# KiCad board [DFR1142]Lite Carrier for LattePanda Mu(V2).kicad_pcb (continued)
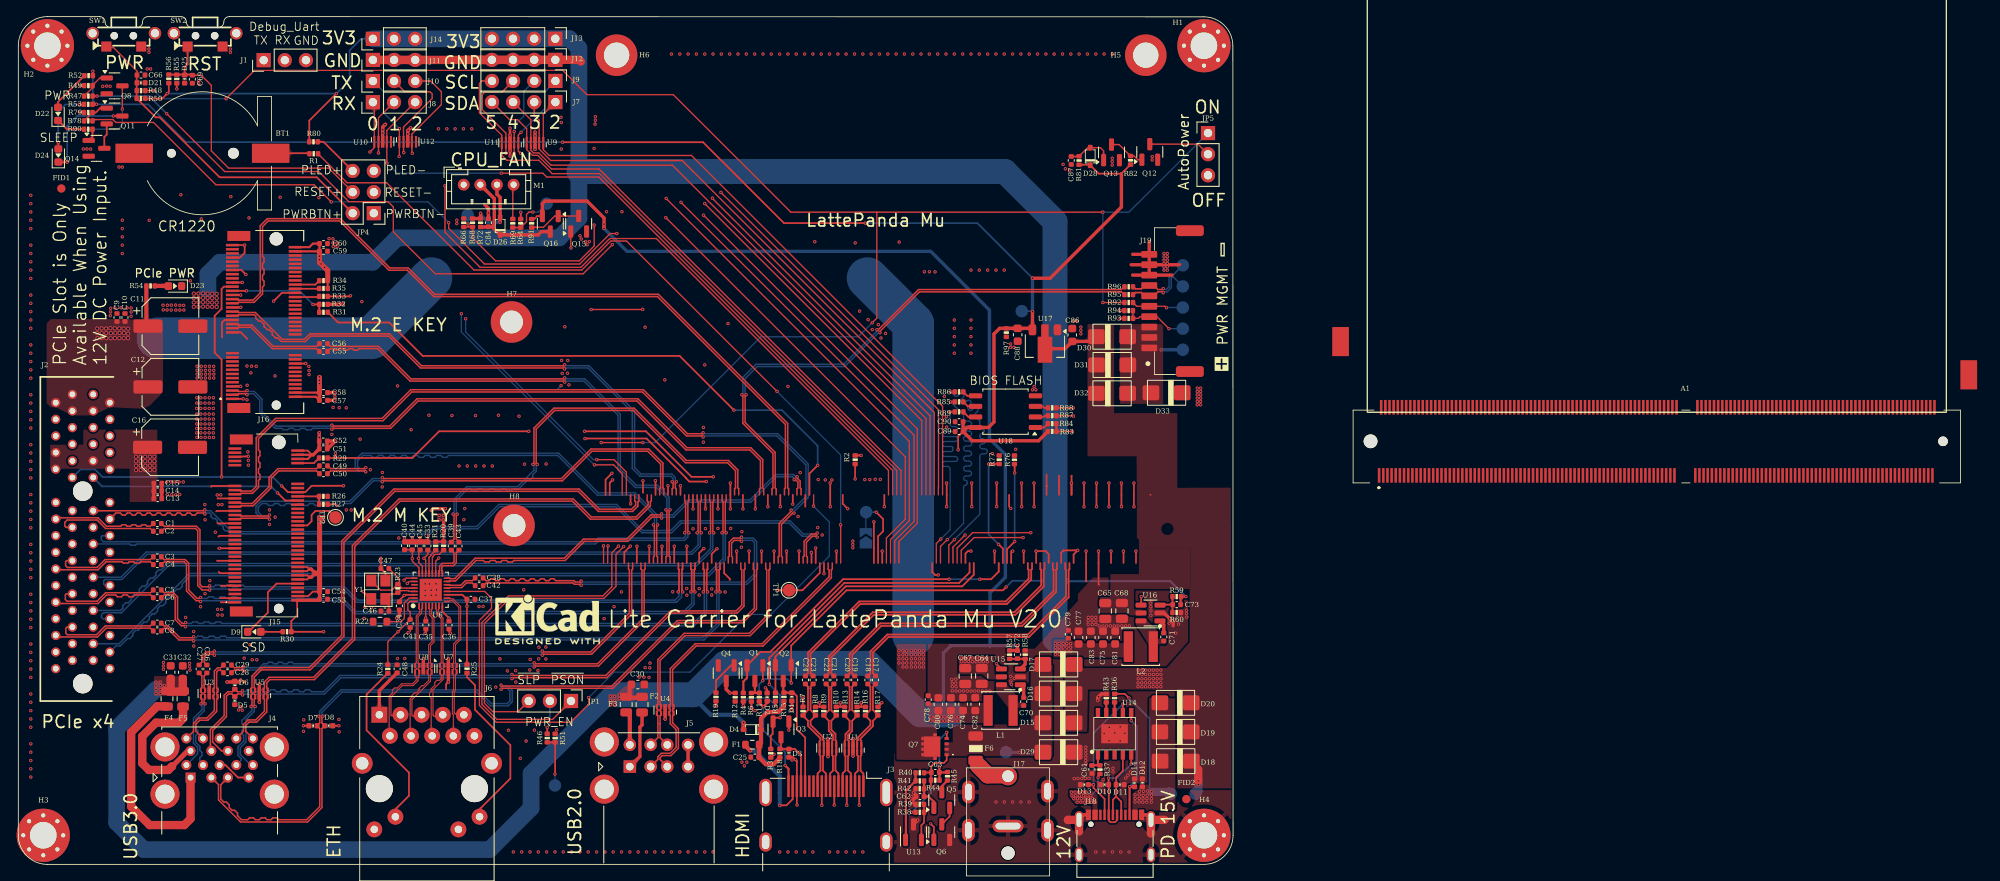
[diagram p0: board, top side]
## Library data of the parts (continued)
J1 J11 = -: DF_Comment: 2.54黑色单排排针-3P; ki_fp_filters: Connector*:*_1x??_*
J2 = -: Datasheet: http://www.ritrontek.com/uploadfile/2016/1026/20161026105231124.pdf#page=63; Buy_Link: https://item.szlcsc.com/3251630.html; DF_Comment: PCI-ex4直插母座_AAA-PCI-161-K03; ki_fp_filters: *PCIexpress*
J3 = -: Datasheet: https://en.wikipedia.org/wiki/HDMI; DF_Comment: 直插式HDMI母座-19Pin(19PIN); ki_fp_filters: HDMI*A*
J4 = -: Buy_Link: https://item.szlcsc.com/3132965.html; DF_Comment: 双层USB3.0_A母座_USB-303WSD-BRY; ki_fp_filters: USB3?A*Stacked*
J5 = -: DF_Comment: USB2.0-A型双层白胶母座; ki_fp_filters: USB*
J6 = -: Datasheet: https://datasheet.lcsc.com/szlcsc/1901091107_UDE-Corp-RB1-125B8G1A_C363353.pdf; Buy_Link: https://item.szlcsc.com/337919.html; DF_Comment: 千兆RJ45_HRK1-1A73G02-32A1BB-1R; ki_fp_filters: RJ45*UDE*RB1*125B8G1A*
J7 = -: DF_Comment: 2.54绿色单排排针-4P; ki_fp_filters: Connector*:*_1x??_*
J8 = -: DF_Comment: 2.54绿色单排排针-3P; ki_fp_filters: Connector*:*_1x??_*
J9 = -: DF_Comment: 2.54蓝色单排排针-4P; ki_fp_filters: Connector*:*_1x??_*
J10 = -: DF_Comment: 2.54蓝色单排排针-3P; ki_fp_filters: Connector*:*_1x??_*
J12 = -: DF_Comment: 2.54黑色单排排针-4P; ki_fp_filters: Connector*:*_1x??_*
J13 = -: DF_Comment: 2.54红色单排排针-4P; ki_fp_filters: Connector*:*_1x??_*
J14 = -: DF_Comment: 2.54红色单排排针-3P; ki_fp_filters: Connector*:*_1x??_*
J15 = -: Datasheet: http://read.pudn.com/downloads794/doc/project/3133918/PCIe_M.2_Electromechanical_Spec_Rev1.0_Final_11012013_RS_Clean.pdf#page=155; Buy_Link: https://item.szlcsc.com/8568582.html; DF_Comment: M.2连接器KEY-M_H4.2mm-67P_APCI0107-P001A; ki_fp_filters: *M*2*M*
J16 = -: Datasheet: http://read.pudn.com/downloads794/doc/project/3133918/PCIe_M.2_Electromechanical_Spec_Rev1.0_Final_11012013_RS_Clean.pdf#page=150; Buy_Link: https://item.szlcsc.com/8568583.html; DF_Comment: M.2连接器KEY-E_H4.2mm-67P_APCI0108-P001A; ki_fp_filters: *M*2*E*
J17 = -: Buy_Link: https://item.szlcsc.com/19360929.html; DF_Comment: DC2.5电源母座_12V/10A_XDJK-060B-055; ki_fp_filters: BarrelJack*
J18 = -: Datasheet: https://www.usb.org/sites/default/files/documents/usb_type-c.zip; DF_Comment: USB Type-C母座-U263-163N-4BS1735  5A; ki_fp_filters: USB*C*Receptacle*
J19 = -: Description: Generic connectable mounting pin connector, single row, 01x10, script generated (kicad-library-utils/schlib/autogen/connector/); Buy_Link: https://item.szlcsc.com/3561406.html; ki_fp_filters: Connector*:*_1x??-1MP*
JP1 = -: DF_Comment: 2.54黑色单排排针-3P; ki_fp_filters: Jumper* TestPoint*3Pads* TestPoint*Bridge*
JP4 = -: DF_Comment: 2.54黑色3x2P排针
JP5 = -: Description: Jumper, 3-pole, pins 1+2 closed/bridged; DF_Comment: 2.54黑色单排排针-3P; ki_fp_filters: Jumper* TestPoint*3Pads* TestPoint*Bridge*
JP6 = -: Description: Solder Jumper, 2-pole, open; ki_fp_filters: SolderJumper*Open*
L1 L2 = -: DF_Comment: WPN4020H2R2MT 2.2UH 20% 额定电流4.3A 顺络; ki_fp_filters: Choke_* *Coil* Inductor_* L_*
M1 = -: Datasheet: http://www.formfactors.org/developer%5Cspecs%5Crev1_2_public.pdf; Buy_Link: https://item.szlcsc.com/255571.html; DF_Comment: PH2.0-4A直针插座(2.0-4P直)-DL; ki_fp_filters: FanPinHeader*P2.54mm*Vertical* PinHeader*P2.54mm*Vertical* TerminalBlock*
Q1 Q5 Q6 Q8 Q11-Q15 = -: Datasheet: https://www.onsemi.com/pub/Collateral/NDS7002A-D.PDF; DF_Comment: 2N7002-N沟道MOS管-SOT-23[备选型号:JMTL2N7002K]; ki_fp_filters: SOT?23*
Q2-Q4 = -: Datasheet: https://www.onsemi.com/pub/Collateral/NDS7002A-D.PDF; Buy_Link: https://item.szlcsc.com/774253.html; DF_Comment: NMOS_2SK3018_SOT-23; ki_fp_filters: SOT?23*
Q7 = -: DF_Comment: PMOS管NCE30P28Q-DFN3.3X3.3-8L
Q16 = -: Description: P-MOSFET transistor, gate/source/drain; DF_Comment: PMOS管AO3407-SOT23-3
R1 R11 R12 R26 R31 R37 R47 R78 R90 = -: DF_Comment: 贴片电阻0402-1K-1%; ki_fp_filters: R_*
R2 R20 R21 R34-R36 R38 R40 R49 R50 R56 R58 R79 R83 R91 = -: DF_Comment: 贴片电阻0402-10K-1%; ki_fp_filters: R_*
R3 R5 R15 R18 R19 R30 R39 R52 R53 = -: DF_Comment: 贴片电阻0402-2.2K-1%; ki_fp_filters: R_*
R4 R23 R81 = -: DF_Comment: 贴片电阻0402-1M-1%; ki_fp_filters: R_*
R6 R41 R42 R54 R59 R66 R68 = -: DF_Comment: 贴片电阻0402-21.5K-1%; ki_fp_filters: R_*
R7-R10 R13 R14 R16 R17 R24 R25 R97 = -: DF_Comment: 贴片电阻0402-470R-1%; ki_fp_filters: R_*
R22 = -: DF_Comment: 贴片电阻0603-2.49K-1%(0603-1.6*0.8*0.4); ki_fp_filters: R_*
R27 R29 R32 R33 R84-R89 R95 R96 = -: DF_Comment: 贴片电阻0402-0R-1%; ki_fp_filters: R_*
R43 = -: DF_Comment: 贴片电阻0402-56K-1%(0402); ki_fp_filters: R_*
R44 R45 R51 R76 R77 R82 = -: DF_Comment: 贴片电阻0402-100K-1%; ki_fp_filters: R_*
R46 R48 R55 R69 R92-R94 = -: DF_Comment: 贴片电阻0402-100R-1%; ki_fp_filters: R_*
R57 = -: DF_Comment: 贴片电阻0402-75K-1%; ki_fp_filters: R_*
R60 R64 R72 = -: DF_Comment: 贴片电阻0402-4.7K-1%; ki_fp_filters: R_*
R80 = -: DF_Comment: 贴片电阻0402-200R-1%; ki_fp_filters: R_*
SW1 SW2 = -: DF_Comment: 侧按卧插4脚开关-TS-1012EV-26-7*3.5*3.5
TP1 TP2 = -: ki_fp_filters: Pin* Test*
TP3-TP18 = -: Description: test point; ki_fp_filters: Pin* Test*
U1 U2 = -: Datasheet: https://www.diodes.com/assets/Datasheets/D3V3XA4B10LP.pdf; Buy_Link: https://item.szlcsc.com/2973358.html; DF_Comment: ESD静电保护IC-TPAZ1023-04F-DFN2510-10L; ki_fp_filters: Diodes*UDFN*1.0x2.5mm*P0.5mm*
U3-U5 U7-U12 = -: Datasheet: https://www.diodes.com/assets/Datasheets/D3V3XA4B10LP.pdf; DF_Comment: ESD静电保护IC-BV-ULC0524P-DFN2510-10L; ki_fp_filters: Diodes*UDFN*1.0x2.5mm*P0.5mm*
U6 = -: DF_Comment: 以太网控制器IC-RTL8111H-CG-RH(PCIE-LAN)-QFN32; ki_fp_filters: RTL8111H_QFN32
U13 = -: Datasheet: http://www.ti.com/lit/ds/symlink/tl431.pdf; DF_Comment: 参考电压-TL431ACDBZR-SOT23（丝印TAC）; ki_fp_filters: SOT?23*
U14 = -: DF_Comment: USB PD等快充协议受电芯片-CH224K-ESSOP10; ki_fp_filters: ESSOP10
U15 U16 = -: Datasheet: https://atta.szlcsc.com/upload/public/pdf/source/20180625/C93736_E75EC6FD4320D65590D2D5BF0D8B8959.pdf; Buy_Link: https://item.szlcsc.com/94934.html; DF_Comment: DCDC同步降压芯片_SY8253ADC_TSOT23-6; ki_fp_filters: TSOT?23*
U17 = -: Description: 高压LDO_HM7533HBPR_SOT89; DF_Comment: 高压LDO_HM7533HBPR_SOT89
U18 = -: Datasheet: http://www.winbond.com/resource-files/w25q128jv_dtr%20revc%2003272018%20plus.pdf; Description: 128Mb Serial Flash Memory, Standard/Dual/Quad SPI, SOIC-8; DF_Comment: 存储器-W25Q128JVSIQ-SOIC-8-208-mil; ki_fp_filters: SOIC*5.23x5.23mm*P1.27mm*
Y1 = -: DF_Comment: CRY_25M-20pF-20ppm_4P_SMD3225; ki_fp_filters: Crystal*

## Footprints (pads in the part's own frame, mm; a bottom-side part is the same pattern mirrored in y, then rotated)
Battery_Holder_CR1220_S8411-45R
  round 1.05 hole 1.05 unplated: (0,3.725)
  round 1.3 hole 1.3 unplated: (0,-3.725)
  rect 2.3x4.5 smd: 1(0,-8.2) 2(0,8.2)
C_0402
  rrect 0.56x0.62 smd: 1(-0.48,0) 2(0.48,0)
C_0402_1005Metric
  rrect 0.56x0.62 smd: 1(-0.48,0) 2(0.48,0)
C_0603
  rrect 0.9x0.95 smd: 1(-0.775,0) 2(0.775,0)
C_0603_1608Metric
  rrect 0.9x0.95 smd: 1(-0.775,0) 2(0.775,0)
C_0805_2012Metric
  rrect 1x1.45 smd: 1(-0.95,0) 2(0.95,0)
CP_Elec_6.3x7.7
  rrect 3.5x1.6 smd: 1(-2.7,0) 2(2.7,0)
Crystal_SMD_3225-4Pin_3.2x2.5mm
  rect 1.4x1.2 smd: 1(-1.1,-0.85) 2(1.1,-0.85) 3(1.1,0.85) 4(-1.1,0.85)
D_0402_1005Metric
  rrect 0.59x0.64 smd: 1(-0.485,0) 2(0.485,0)
D_SMA
  rrect 2x1.8 smd: 1(-1.88,0) 2(1.88,0)
D_SOD-323
  rrect 0.7x0.55 smd: 1(-1.05,0) 2(1.05,0)
DC_Jack_DC007B_30V_10A
  round 1.6 hole 1.6 unplated: (0,-2.75)
  round 2.2 hole 1.4: 1(0,-12)
  oval 3.7x1.5 hole 3x0.8: 2(0,-6)
  oval 1.5x2.7 hole 0.8x2: 3(-4.75,-5.5) 3(-4.75,-10.2) 3(4.75,-5.5) 3(4.75,-10.1)
DDR4_SODIMM_260P_8.0H_STD
  round 1.15 hole 1.15 unplated: (-34.4,7.588)
  round 1.65 hole 1.65 unplated: (34.4,7.588)
  rect 0.3x1.75 smd: 1(33.375,11.688) 2(33.125,3.488) 3(32.875,11.688) 4(32.625,3.488) 5(32.375,11.688) 6(32.125,3.488) 7(31.875,11.688) 8(31.625,3.488) 9(31.375,11.688) 10(31.125,3.488) 11(30.875,11.688) 12(30.625,3.488) 13(30.375,11.688) 14(30.125,3.488) 15(29.875,11.688) 16(29.625,3.488) 17(29.375,11.688) 18(29.125,3.488) 19(28.875,11.688) 20(28.625,3.488) 21(28.375,11.688) 22(28.125,3.488) 23(27.875,11.688) 24(27.625,3.488) 25(27.375,11.688) 26(27.125,3.488) 27(26.875,11.688) 28(26.625,3.488) 29(26.375,11.688) 30(26.125,3.488) 31(25.875,11.688) 32(25.625,3.488) 33(25.375,11.688) 34(25.125,3.488) 35(24.875,11.688) 36(24.625,3.488) 37(24.375,11.688) 38(24.125,3.488) 39(23.875,11.688) 40(23.625,3.488) 41(23.375,11.688) 42(23.125,3.488) 43(22.875,11.688) 44(22.625,3.488) 45(22.375,11.688) 46(22.125,3.488) 47(21.875,11.688) 48(21.625,3.488) 49(21.375,11.688) 50(21.125,3.488) 51(20.875,11.688) 52(20.625,3.488) 53(20.375,11.688) 54(20.125,3.488) 55(19.875,11.688) 56(19.625,3.488) 57(19.375,11.688) 58(19.125,3.488) 59(18.875,11.688) 60(18.625,3.488) 61(18.375,11.688) 62(18.125,3.488) 63(17.875,11.688) 64(17.625,3.488) 65(17.375,11.688) 66(17.125,3.488) 67(16.875,11.688) 68(16.625,3.488) 69(16.375,11.688) 70(16.125,3.488) 71(15.875,11.688) 72(15.625,3.488) 73(15.375,11.688) 74(15.125,3.488) 75(14.875,11.688) 76(14.625,3.488) 77(14.375,11.688) 78(14.125,3.488) 79(13.875,11.688) 80(13.625,3.488) 81(13.375,11.688) 82(13.125,3.488) 83(12.875,11.688) 84(12.625,3.488) 85(12.375,11.688) 86(12.125,3.488) 87(11.875,11.688) 88(11.625,3.488) 89(11.375,11.688) 90(11.125,3.488) 91(10.875,11.688) 92(10.625,3.488) 93(10.375,11.688) 94(10.125,3.488) 95(9.875,11.688) 96(9.625,3.488) 97(9.375,11.688) 98(9.125,3.488) 99(8.875,11.688) 100(8.625,3.488) 101(8.375,11.688) 102(8.125,3.488) 103(7.875,11.688) 104(7.625,3.488) 105(7.375,11.688) 106(7.125,3.488) 107(6.875,11.688) 108(6.625,3.488) 109(6.375,11.688) 110(6.125,3.488) 111(5.875,11.688) 112(5.625,3.488) 113(5.375,11.688) 114(5.125,3.488) 115(4.875,11.688) 116(4.625,3.488) 117(4.375,11.688) 118(4.125,3.488) 119(3.875,11.688) 120(3.625,3.488) 121(3.375,11.688) 122(3.125,3.488) 123(2.875,11.688) 124(2.625,3.488) 125(2.375,11.688) 126(2.125,3.488) 127(1.875,11.688) 128(1.625,3.488) 129(1.375,11.688) 130(1.125,3.488) 131(0.875,11.688) 132(0.625,3.488) 133(0.375,11.688) 134(0.125,3.488) 135(-0.125,11.688) 136(-0.375,3.488) 137(-0.625,11.688) 138(-0.875,3.488) 139(-1.125,11.688) 140(-1.375,3.488) 141(-1.625,11.688) 142(-1.875,3.488) 143(-2.125,11.688) 144(-2.375,3.488) 145(-4.625,11.688) 146(-4.875,3.488) 147(-5.125,11.688) 148(-5.375,3.488) 149(-5.625,11.688) 150(-5.875,3.488) 151(-6.125,11.688) 152(-6.375,3.488) 153(-6.625,11.688) 154(-6.875,3.488) 155(-7.125,11.688) 156(-7.375,3.488) 157(-7.625,11.688) 158(-7.875,3.488) 159(-8.125,11.688) 160(-8.375,3.488) 161(-8.625,11.688) 162(-8.875,3.488) 163(-9.125,11.688) 164(-9.375,3.488) 165(-9.625,11.688) 166(-9.875,3.488) 167(-10.125,11.688) 168(-10.375,3.488) 169(-10.625,11.688) 170(-10.875,3.488) 171(-11.125,11.688) 172(-11.375,3.488) 173(-11.625,11.688) 174(-11.875,3.488) 175(-12.125,11.688) 176(-12.375,3.488) 177(-12.625,11.688) 178(-12.875,3.488) 179(-13.125,11.688) 180(-13.375,3.488) 181(-13.625,11.688) 182(-13.875,3.488) 183(-14.125,11.688) 184(-14.375,3.488) 185(-14.625,11.688) 186(-14.875,3.488) 187(-15.125,11.688) 188(-15.375,3.488) 189(-15.625,11.688) 190(-15.875,3.488) 191(-16.125,11.688) 192(-16.375,3.488) 193(-16.625,11.688) 194(-16.875,3.488) 195(-17.125,11.688) 196(-17.375,3.488) 197(-17.625,11.688) 198(-17.875,3.488) 199(-18.125,11.688) 200(-18.375,3.488) 201(-18.625,11.688) 202(-18.875,3.488) 203(-19.125,11.688) 204(-19.375,3.488) 205(-19.625,11.688) 206(-19.875,3.488) 207(-20.125,11.688) 208(-20.375,3.488) 209(-20.625,11.688) 210(-20.875,3.488) 211(-21.125,11.688) 212(-21.375,3.488) 213(-21.625,11.688) 214(-21.875,3.488) 215(-22.125,11.688) 216(-22.375,3.488) 217(-22.625,11.688) 218(-22.875,3.488) 219(-23.125,11.688) 220(-23.375,3.488) 221(-23.625,11.688) 222(-23.875,3.488) 223(-24.125,11.688) 224(-24.375,3.488) 225(-24.625,11.688) 226(-24.875,3.488) 227(-25.125,11.688) 228(-25.375,3.488) 229(-25.625,11.688) 230(-25.875,3.488) 231(-26.125,11.688) 232(-26.375,3.488) 233(-26.625,11.688) 234(-26.875,3.488) 235(-27.125,11.688) 236(-27.375,3.488) 237(-27.625,11.688) 238(-27.875,3.488) 239(-28.125,11.688) 240(-28.375,3.488) 241(-28.625,11.688) 242(-28.875,3.488) 243(-29.125,11.688) 244(-29.375,3.488) 245(-29.625,11.688) 246(-29.875,3.488) 247(-30.125,11.688) 248(-30.375,3.488) 249(-30.625,11.688) 250(-30.875,3.488) 251(-31.125,11.688) 252(-31.375,3.488) 253(-31.625,11.688) 254(-31.875,3.488) 255(-32.125,11.688) 256(-32.375,3.488) 257(-32.625,11.688) 258(-32.875,3.488) 259(-33.125,11.688) 260(-33.375,3.488)
  rect 2x3.5 smd: MP1(38,-4.412) MP2(-37.5,-0.412)
Diodes_UDFN-10_1.0x2.5mm_P0.5mm
  rect 0.625x0.25 smd: 1(-0.388,1) 2(-0.388,0.5) 4(-0.388,-0.5) 5(-0.388,-1) 6(0.388,-1) 7(0.388,-0.5) 9(0.388,0.5) 10(0.388,1)
  rect 0.7x0.4 smd: 3(-0.35,0)
  rect 0.575x0.4 smd: 8(0.412,0)
ESSOP-10-1EP_3.9x5mm_P1.0mm_EP3.2x2.3
  rect 2.3x3.2 smd: 0(0,0)
  rect 1.1x0.51 smd: 1(-2.55,2) 2(-2.55,1) 3(-2.55,0) 4(-2.55,-1) 5(-2.55,-2) 6(2.55,-2) 7(2.55,-1) 8(2.55,0) 9(2.55,1) 10(2.55,2)
Fiducial_1mm_Mask2mm
  round 1 smd: (0,0)
Fuse_0805_2012Metric
  rrect 0.975x1.4 smd: 1(-0.938,0) 2(0.938,0)
HDMI_A_Molex_208658-1001_Horizontal
  rect 2.6x0.3 smd: 1(-3.285,4.5) 2(-3.285,4) 3(-3.285,3.5) 4(-3.285,3) 5(-3.285,2.5) 6(-3.285,2) 7(-3.285,1.5) 8(-3.285,1) 9(-3.285,0.5) 10(-3.285,0) 11(-3.285,-0.5) 12(-3.285,-1) 13(-3.285,-1.5) 14(-3.285,-2) 15(-3.285,-2.5) 16(-3.285,-3) 17(-3.285,-3.5) 18(-3.285,-4) 19(-3.285,-4.5)
  oval 3.3x1.5 hole 2.7x0.9: SH(-2.525,7.25) SH(-2.525,-7.25)
  oval 2.3x1.5 hole 1.7x0.9: SH(3.435,7.25) SH(3.435,-7.25)
JST_PH_B4B-PH-K_1x04_P2.00mm_Vertical
  round 1.4 hole 0.75: 1(0,0) 2(2,0) 3(4,0) 4(6,0)
L_Sunlord_SWPA4020S
  rect 1.1x3.7 smd: 1(-1.5,0) 2(1.5,0)
LED_0603_1608Metric
  rrect 0.875x0.95 smd: 1(-0.787,0) 2(0.787,0)
MOSFET_PDFN8_3.3x3.3
  rect 0.35x0.5 smd: 1(-0.975,-1.4) 2(-0.325,-1.4) 3(0.325,-1.4) 4(0.975,-1.4)
  rect 0.4x0.3 smd: 5(0.975,1.5) 6(0.325,1.5) 7(-0.325,1.5) 8(-0.975,1.5)
  rect 2.45x1.98 smd: 9(0,0.36)
  rect 0.38x0.43 smd: 10(1.415,0) 11(-1.415,0)
MountingHole_2.7mm_M2_Pad_TopOnly
  round 2.9 hole 2.75: 1(0,0)
  round 5 smd: 1(0,0)
MountingHole_3.2mm_M3_Pad_Via
  round 0.8 hole 0.5: 1(-2.4,0) 1(-1.697,1.697) 1(-1.697,-1.697) 1(0,2.4) 1(0,-2.4) 1(1.697,1.697) 1(1.697,-1.697) 1(2.4,0)
  round 6.4 hole 3.2: 1(0,0)
MountingHole_3mm_M2_Pad_TopOnly
  round 3.2 hole 3.05: 1(0,0)
  round 5 smd: 1(0,0)
MX1.25-10P-SMD
  rrect 0.8x1.9 smd: 1(-5.625,2.438) 2(-4.375,2.438) 3(-3.125,2.438) 4(-1.875,2.438) 5(-0.625,2.438) 6(0.625,2.438) 7(1.875,2.438) 8(3.125,2.438) 9(4.375,2.438) 10(5.625,2.438)
  rrect 1.3x3.35 smd: MP(-8.475,-2.438) MP(8.475,-2.438)
PCIe_M.2_Connectors_P=0.5mm_H=4.2mm_KeyE
  round 1.1 hole 1.1 unplated: (-0.75,-5.275)
  round 1.6 hole 1.6 unplated: (19.25,-5.275)
  rect 0.3x1.55 smd: 1(0,0) 2(0.25,-7.55) 3(0.5,0) 4(0.75,-7.55) 5(1,0) 6(1.25,-7.55) 7(1.5,0) 8(1.75,-7.55) 9(2,0) 10(2.25,-7.55) 11(2.5,0) 12(2.75,-7.55) 13(3,0) 14(3.25,-7.55) 15(3.5,0) 16(3.75,-7.55) 17(4,0) 18(4.25,-7.55) 19(4.5,0) 20(4.75,-7.55) 21(5,0) 22(5.25,-7.55) 23(5.5,0) 32(7.75,-7.55) 33(8,0) 34(8.25,-7.55) 35(8.5,0) 36(8.75,-7.55) 37(9,0) 38(9.25,-7.55) 39(9.5,0) 40(9.75,-7.55) 41(10,0) 42(10.25,-7.55) 43(10.5,0) 44(10.75,-7.55) 45(11,0) 46(11.25,-7.55) 47(11.5,0) 48(11.75,-7.55) 49(12,0) 50(12.25,-7.55) 51(12.5,0) 52(12.75,-7.55) 53(13,0) 54(13.25,-7.55) 55(13.5,0) 56(13.75,-7.55) 57(14,0) 58(14.25,-7.55) 59(14.5,0) 60(14.75,-7.55) 61(15,0) 62(15.25,-7.55) 63(15.5,0) 64(15.75,-7.55) 65(16,0) 66(16.25,-7.55) 67(16.5,0) 68(16.75,-7.55) 69(17,0) 70(17.25,-7.55) 71(17.5,0) 72(17.75,-7.55) 73(18,0) 74(18.25,-7.55) 75(18.5,0)
  rect 1.2x2.75 smd: MP1(-1.1,-0.775) MP2(19.6,-0.775)
PCIe_M.2_Connectors_P=0.5mm_H=4.2mm_KeyM
  round 1.15 hole 1.15 unplated: (-10,-1.7)
  round 1.65 hole 1.65 unplated: (10,-1.7)
  rect 0.3x1.55 smd: 1(-9.25,3.575) 2(-9,-3.975) 3(-8.75,3.575) 4(-8.5,-3.975) 5(-8.25,3.575) 6(-8,-3.975) 7(-7.75,3.575) 8(-7.5,-3.975) 9(-7.25,3.575) 10(-7,-3.975) 11(-6.75,3.575) 12(-6.5,-3.975) 13(-6.25,3.575) 14(-6,-3.975) 15(-5.75,3.575) 16(-5.5,-3.975) 17(-5.25,3.575) 18(-5,-3.975) 19(-4.75,3.575) 20(-4.5,-3.975) 21(-4.25,3.575) 22(-4,-3.975) 23(-3.75,3.575) 24(-3.5,-3.975) 25(-3.25,3.575) 26(-3,-3.975) 27(-2.75,3.575) 28(-2.5,-3.975) 29(-2.25,3.575) 30(-2,-3.975) 31(-1.75,3.575) 32(-1.5,-3.975) 33(-1.25,3.575) 34(-1,-3.975) 35(-0.75,3.575) 36(-0.5,-3.975) 37(-0.25,3.575) 38(0,-3.975) 39(0.25,3.575) 40(0.5,-3.975) 41(0.75,3.575) 42(1,-3.975) 43(1.25,3.575) 44(1.5,-3.975) 45(1.75,3.575) 46(2,-3.975) 47(2.25,3.575) 48(2.5,-3.975) 49(2.75,3.575) 50(3,-3.975) 51(3.25,3.575) 52(3.5,-3.975) 53(3.75,3.575) 54(4,-3.975) 55(4.25,3.575) 56(4.5,-3.975) 57(4.75,3.575) 58(5,-3.975) 67(7.25,3.575) 68(7.5,-3.975) 69(7.75,3.575) 70(8,-3.975) 71(8.25,3.575) 72(8.5,-3.975) 73(8.75,3.575) 74(9,-3.975) 75(9.25,3.575)
  rect 1.2x2.75 smd: MP1(-10.35,2.8) MP2(10.35,2.8)
PCIe_x4_Gen3Slot_Connectors
  round 2.35 hole 2.35 unplated: (11.65,-1.25) (34.8,-1.25)
  round 1.1 hole 0.7: A1(0,0) A2(1,2) A3(2,0) A4(3,2) A5(4,0) A6(5,2) A7(6,0) A8(7,2) A9(8,0) A10(9,2) A11(10,0) A12(13,2) A13(14,0) A14(15,2) A15(16,0) A16(17,2) A17(18,0) A18(19,2) A19(20,0) A20(21,2) A21(22,0) A22(23,2) A23(24,0) A24(25,2) A25(26,0) A26(27,2) A27(28,0) A28(29,2) A29(30,0) A30(31,2) A31(32,0) A32(33,2) B1(0,-2.5) B2(1,-4.5) B3(2,-2.5) B4(3,-4.5) B5(4,-2.5) B6(5,-4.5) B7(6,-2.5) B8(7,-4.5) B9(8,-2.5) B10(9,-4.5) B11(10,-2.5) B12(13,-4.5) B13(14,-2.5) B14(15,-4.5) B15(16,-2.5) B16(17,-4.5) B17(18,-2.5) B18(19,-4.5) B19(20,-2.5) B20(21,-4.5) B21(22,-2.5) B22(23,-4.5) B23(24,-2.5) B24(25,-4.5) B25(26,-2.5) B26(27,-4.5) B27(28,-2.5) B28(29,-4.5) B29(30,-2.5) B30(31,-4.5) B31(32,-2.5) B32(33,-4.5)
PinHeader_1x03_P2.54mm_Vertical
  rect 1.7x1.7 hole 1: 1(0,0)
  oval 1.7x1.7 hole 1: 2(0,-2.54) 3(0,-5.08)
PinHeader_1x04_P2.54mm_Vertical
  rect 1.7x1.7 hole 1: 1(0,0)
  oval 1.7x1.7 hole 1: 2(0,-2.54) 3(0,-5.08) 4(0,-7.62)
PinHeader_2x03_P2.54mm_Vertical
  rect 1.7x1.7 hole 1: 1(0,0)
  oval 1.7x1.7 hole 1: 2(0,-2.54) 3(0,-5.08) 4(2.54,0) 5(2.54,-2.54) 6(2.54,-5.08)
QFN-32-1EP_4x4mm_P0.4mm_EP2.65x2.65mm
  rrect 1.07x1.07 smd: (-0.66,0.66) (-0.66,-0.66) (0.66,0.66) (0.66,-0.66)
  custom 0.129x0.129 smd: 1(-1.95,1.4) 8(-1.95,-1.4) 9(-1.4,-1.95) 16(1.4,-1.95) 17(1.95,-1.4) 24(1.95,1.4) 25(1.4,1.95) 32(-1.4,1.95)
  rrect 0.8x0.2 smd: 2(-1.95,1) 3(-1.95,0.6) 4(-1.95,0.2) 5(-1.95,-0.2) 6(-1.95,-0.6) 7(-1.95,-1) 18(1.95,-1) 19(1.95,-0.6) 20(1.95,-0.2) 21(1.95,0.2) 22(1.95,0.6) 23(1.95,1)
  rrect 0.2x0.8 smd: 10(-1,-1.95) 11(-0.6,-1.95) 12(-0.2,-1.95) 13(0.2,-1.95) 14(0.6,-1.95) 15(1,-1.95) 26(1,1.95) 27(0.6,1.95) 28(0.2,1.95) 29(-0.2,1.95) 30(-0.6,1.95) 31(-1,1.95)
  rect 2.65x2.65 smd: 33(0,0)
R_0402
  rrect 0.54x0.64 smd: 1(-0.51,0) 2(0.51,0)
R_0402_1005Metric
  rrect 0.54x0.64 smd: 1(-0.51,0) 2(0.51,0)
R_0603_1608Metric
  rrect 0.8x0.95 smd: 1(-0.825,0) 2(0.825,0)
R_1206
  rrect 1.125x1.75 smd: 1(-1.462,0) 2(1.462,0)
RJ45_UDE_RB1-125B8G1A
  round 3.25 hole 3.25 unplated: (0,-8.89) (11.43,-8.89)
  round 1.9 hole 0.9: L1(12.04,-12.27) L2(9.5,-13.79) L3(1.93,-12.27) L4(-0.61,-13.79) R2(1.27,-2.54) R3(2.54,0) R4(3.81,-2.54) R5(5.08,0) R6(6.35,-2.54) R7(7.62,0) R8(8.89,-2.54) R9(10.16,0) R10(11.43,-2.54)
  rect 1.9x1.9 hole 0.9: R1(0,0)
  round 2.5 hole 1.5: SH(-2.06,-5.84) SH(13.49,-5.84)
SOIC-8_5.23x5.23mm_P1.27mm
  rrect 1.6x0.6 smd: 1(-3.6,1.905) 2(-3.6,0.635) 3(-3.6,-0.635) 4(-3.6,-1.905) 5(3.6,-1.905) 6(3.6,-0.635) 7(3.6,0.635) 8(3.6,1.905)
SolderJumper-2_P1.3mm_Open_TrianglePad1.0x1.5mm
  custom 0.3x0.3 smd: 1(-0.725,0) 2(0.725,0)
SOT-23
  rrect 1.475x0.6 smd: 1(-0.938,0.95) 2(-0.938,-0.95) 3(0.938,0)
SOT-89-3
  rrect 1.3x0.9 smd: 1(-1.95,1.5) 3(-1.95,-1.5)
  custom 1.475x0.9 smd: 2(-1.863,0)
SW_PUSH_SIDE_TS-1012EV_7.7x3.95x3.5mm
  round 0.9 hole 0.9 unplated: (-1.15,0) (1.15,0)
  rect 1.2x1.2 smd: 1(-2.1,-1.3) 2(2.1,-1.3)
  round 1.5 hole 1: MP(-3.75,0.3) MP(3.75,0.3)
TestPoint_Pad_D1.5mm
  round 1.5 smd: 1(0,0)
TSOT-23-6
  rrect 1.325x0.6 smd: 1(-1.137,0.95) 2(-1.137,0) 3(-1.137,-0.95) 4(1.137,-0.95) 5(1.137,0) 6(1.137,0.95)
USB3_A_Molex_48406-0001_Horizontal_Stacked
  rect 1.2x1.2 hole 0.7: 1(0,0)
  round 1.2 hole 0.7: 2(2.5,0) 3(4.5,0) 4(7,0) 5(7.5,1.5) 6(5.5,1.5) 7(3.5,1.5) 8(1.5,1.5) 9(-0.5,1.5) 10(0,3.2) 11(2.5,3.2) 12(4.5,3.2) 13(7,3.2) 14(7.5,4.7) 15(5.5,4.7) 16(3.5,4.7) 17(1.5,4.7) 18(-0.5,4.7)
  round 3.5 hole 2.3: 19(-3.07,3.68) 19(-3.07,-2) 19(10.07,3.68) 19(10.07,-2)
USB_A_CUI_UJ2-ADH-TH_Horizontal_Stacked
  rect 1.5x1.5 hole 0.92: 1(0,0)
  round 1.5 hole 0.92: 2(0,-2.5) 3(0,-4.5) 4(0,-7) 5(2.62,0) 6(2.62,-2.5) 7(2.62,-4.5) 8(2.62,-7)
  round 3.5 hole 2.3: 9(-2.71,3.07) 9(-2.71,-10.07) 9(2.97,3.07) 9(2.97,-10.07)
USB_C_Receptacle_G-Switch_GT-USB-7010ASV
  round 0.65 hole 0.65 unplated: (-2.89,2.605) (2.89,2.605)
  rect 0.6x1.24 smd: A1(-3.2,3.725) A4(-2.4,3.725) A9(2.4,3.725) A12(3.2,3.725) B1(3.2,3.725) B4(2.4,3.725) B9(-2.4,3.725) B12(-3.2,3.725)
  rect 0.3x1.24 smd: A5(-1.25,3.725) A6(-0.25,3.725) A7(0.25,3.725) A8(1.25,3.725) B5(1.75,3.725) B6(0.75,3.725) B7(-0.75,3.725) B8(-1.75,3.725)
  oval 1x2.1 hole 0.6x1.7: S1(-4.32,3.125) S1(4.32,3.125)
  oval 1x1.8 hole 0.6x1.4: S1(-4.32,-1.075) S1(4.32,-1.075)

## Nets
5V_HDMI_VCC: C25.1 D4.1 F1.1 R15.1 R18.1
+1V0: C33.2 C34.2 C35.2 C36.2 C40.2 C44.2 U6.3 U6.8 U6.22 U6.24 U6.30
+3V3: C13.2 C14.2 C15.1 C16.1 C37.2 C41.2 C45.2 C51.2 C52.2 C53.2 C54.2 C57.2 C58.2 C59.2 C60.2 C73.1 C75.2 C77.2 C79.1 C81.2 C83.2 J2.A9 J2.A10 J2.B8 J2.B10 J13.1 J13.2 J13.3 J13.4 J14.1 J14.2 J14.3 J15.2 J15.4 J15.12 J15.14 J15.16 J15.18 J15.70 J15.72 J15.74 J16.2 J16.4 J16.72 J16.74 L2.2 Q1.1 Q2.1 Q3.1 R3.1 R4.1 R5.1 R20.1 R21.1 R24.2 R25.2 R30.2 R34.2 R35.1 R50.2 R56.2 R59.2 R64.1 R80.1 TP6.1 U6.11 U6.23 U6.32
+3V3_ROM: C88.1 C89.2 C90.2 D28.1 R2.2 R52.2 R53.2 R81.1 R82.1 R83.2 R97.1 TP13.1 U17.3 U18.8
+5V: C30.2 C31.2 C32.2 C72.1 C74.2 C76.2 C78.1 C80.2 C82.2 D4.2 F2.1 F3.1 F4.1 F5.1 L1.2 Q16.2 R57.2 R91.2 TP5.1
+5V_FAN: C84.1 D26.1 M1.2 Q16.3 R72.1
+12V: C63.2 D15.2 D16.2 D17.2 D29.2 F6.2 Q7.1 Q7.2 Q7.3 R38.2 R40.2 R44.2 TP4.1
+12VA: C9.1 C10.1 C11.1 C12.1 J2.A2 J2.A3 J2.B1 J2.B2 J2.B3 Q7.5 Q7.6 Q7.7 Q7.8 Q7.9 Q7.10 Q7.11 R54.1 TP8.1
+15V: D12.1 D18.2 D19.2 D20.2 J18.A4 J18.A9 J18.B4 J18.B9 R36.1 R37.1 TP3.1
+VBAT: D30.2 D31.2 D32.2 D33.2 J19.1 J19.2 J19.3 TP18.1
GND: A1.11 A1.14 A1.17 A1.20 A1.23 A1.26 A1.29 A1.32 A1.35 A1.38 A1.41 A1.44 A1.47 A1.50 A1.53 A1.56 A1.59 A1.62 A1.65 A1.68 A1.71 A1.74 A1.77 A1.80 A1.83 A1.86 A1.89 A1.92 A1.95 A1.98 A1.101 A1.107 A1.110 A1.113 A1.116 A1.135 A1.136 A1.151 A1.158 A1.167 A1.170 A1.181 A1.182 A1.188 A1.189 A1.194 A1.195 A1.200 A1.201 A1.206 A1.207 A1.212 A1.213 A1.218 A1.219 A1.224 A1.225 A1.230 A1.231 A1.236 A1.237 A1.242 A1.243 A1.248 A1.249 A1.MP1 A1.MP2 BT1.2 C9.2 C10.2 C11.2 C12.2 C13.1 C14.1 C15.2 C16.2 C25.2 C30.1 C31.1 C32.1 C33.1 C34.1 C35.1 C36.1 C37.1 C40.1 C41.1 C44.1 C45.1 C46.1 C47.1 C48.2 C51.1 C52.1 C53.1 C54.1 C57.1 C58.1 C59.1 C60.1 C61.2 C62.2 C64.1 C65.1 C66.2 C67.1 C68.1 C69.2 C74.1 C75.1 C76.1 C77.1 C78.2 C79.2 C80.1 C81.1 C82.1 C83.1 C84.2 C86.2 C87.2 C88.2 C89.1 C90.1 D1.1 D2.1 D3.1 D5.1 D6.1 D7.1 D8.1 D10.1 D11.1 D12.2 D13.1 D14.1 D21.1 D23.1 D25.1 D29.1 D33.1 H1.1 H2.1 H3.1 H4.1 H5.1 H6.1 H7.1 H8.1 J1.3 J2.A1 J2.A4 J2.A12 J2.A15 J2.A18 J2.A20 J2.A23 J2.A24 J2.A27 J2.A28 J2.A31 J2.B4 J2.B7 J2.B13 J2.B16 J2.B17 J2.B18 J2.B21 J2.B22 J2.B25 J2.B26 J2.B29 J2.B31 J2.B32 J3.2 J3.5 J3.8 J3.11 J3.17 J3.SH J4.4 J4.7 J4.13 J4.16 J4.19 J5.4 J5.8 J5.9 J6.R10 J6.SH J11.1 J11.2 J11.3 J12.1 J12.2 J12.3 J12.4 J15.1 J15.3 J15.9 J15.15 J15.21 J15.27 J15.33 J15.39 J15.45 J15.51 J15.57 J15.71 J15.73 J15.75 J15.MP1 J15.MP2 J16.1 J16.7 J16.18 J16.33 J16.39 J16.45 J16.51 J16.57 J16.63 J16.69 J16.75 J16.MP1 J16.MP2 J17.2 J17.3 J18.A1 J18.A12 J18.B1 J18.B12 J18.S1 J19.8 J19.9 J19.10 J19.MP JP4.1 JP4.2 JP4.3 JP6.1 M1.1 Q4.2 Q6.2 Q8.2 Q12.2 Q13.2 Q14.2 Q15.2 R6.2 R12.2 R22.1 R27.2 R32.2 R39.1 R42.1 R43.2 R49.1 R51.1 R58.1 R60.1 R66.2 R76.2 R77.2 R79.1 R97.2 SW1.2 SW2.2 U1.3 U1.8 U2.3 U2.8 U3.3 U3.8 U4.3 U4.8 U5.3 U5.8 U6.33 U7.3 U7.8 U8.3 U8.8 U9.3 U9.8 U10.3 U10.8 U11.3 U11.8 U12.3 U12.8 U13.3 U14.0 U15.2 U16.2 U17.1 U18.4 Y1.2 Y1.4
+BATT: A1.115 R1.1
/Fan_Temp/FAN_1_PWM: A1.2 R64.2 R69.1 TP12.1
/Fan_Temp/FAN_1_TAC: A1.4 R66.1 R68.2 TP11.1
/Gigabit Ethernet/GbE_PCIe_CLK+: A1.94 U6.15
/Gigabit Ethernet/GbE_PCIe_CLK-: A1.96 U6.16
/Gigabit Ethernet/GbE_PCIe_RX+: A1.64 C43.2
/Gigabit Ethernet/GbE_PCIe_RX-: A1.66 C39.2
/Gigabit Ethernet/GbE_PCIe_TX+: A1.61 C42.2
/Gigabit Ethernet/GbE_PCIe_TX-: A1.63 C38.2
/Gigabit Ethernet/HSI+: C42.1 U6.13
/Gigabit Ethernet/HSI-: C38.1 U6.14
/Gigabit Ethernet/HSO+: C43.1 U6.17
/Gigabit Ethernet/HSO-: C39.1 U6.18
/Gigabit Ethernet/LED1_1000: J6.L4 U6.26
/Gigabit Ethernet/LED2_ACT: J6.L2 U6.25
/Gigabit Ethernet/MDI0+: J6.R2 U6.1 U8.5 U8.6
/Gigabit Ethernet/MDI0-: J6.R3 U6.2 U8.4 U8.7
/Gigabit Ethernet/MDI1+: J6.R4 U6.4 U8.2 U8.9
/Gigabit Ethernet/MDI1-: J6.R5 U6.5 U8.1 U8.10
/Gigabit Ethernet/MDI2+: J6.R6 U6.6 U7.5 U7.6
/Gigabit Ethernet/MDI2-: J6.R7 U6.7 U7.4 U7.7
/Gigabit Ethernet/MDI3+: J6.R8 U6.9 U7.2 U7.9
/Gigabit Ethernet/MDI3-: J6.R9 U6.10 U7.1 U7.10
/Gigabit Ethernet/~{CLKREQ4}: A1.102 U6.12
/GPIO/I2C2_SCL: A1.154 J9.1 U11.1 U11.10
/GPIO/I2C2_SDA: A1.156 J7.1 U9.1 U9.10
/GPIO/I2C3_SCL: A1.150 J9.2 U11.2 U11.9
/GPIO/I2C3_SDA: A1.152 J7.2 U9.2 U9.9
/GPIO/I2C4_SCL: A1.146 J9.3 U11.4 U11.7
/GPIO/I2C4_SDA: A1.148 J7.3 U9.4 U9.7
/GPIO/I2C5_SCL: A1.142 J9.4 U11.5 U11.6
/GPIO/I2C5_SDA: A1.144 J7.4 U9.5 U9.6
/GPIO/SOC_UART0_RX: A1.137 J8.1 U10.1 U10.10
/GPIO/SOC_UART0_TX: A1.139 J10.1 U12.1 U12.10
/GPIO/SOC_UART1_RX: A1.141 J8.2 U10.2 U10.9
/GPIO/SOC_UART1_TX: A1.143 J10.2 U12.2 U12.9
/GPIO/SOC_UART2_RX: A1.140 J8.3 U10.4 U10.7
/GPIO/SOC_UART2_TX: A1.138 J10.3 U12.4 U12.7
/HDMI/DDC_SCL: D1.2 J3.15 Q2.3 R15.2
/HDMI/DDC_SDA: D3.2 J3.16 Q3.3 R18.2
/HDMI/DDI_B_DDC_SCL: A1.171 Q2.2 R5.2
/HDMI/DDI_B_DDC_SDA: A1.169 Q3.2 R3.2
/HDMI/DDI_B_HPD: A1.183 Q1.2 R4.2
/HDMI/DDI_B_TX0+: A1.217 C17.1
/HDMI/DDI_B_TX0-: A1.215 C18.1
/HDMI/DDI_B_TX1+: A1.211 C19.1
/HDMI/DDI_B_TX1-: A1.209 C20.1
/HDMI/DDI_B_TX2+: A1.205 C21.1
/HDMI/DDI_B_TX2-: A1.203 C22.1
/HDMI/DDI_B_TX3+: A1.199 C23.1
/HDMI/DDI_B_TX3-: A1.197 C24.1
/HDMI/HPD: D2.2 J3.19 R11.2
/HDMI/TMDS_CK+: C23.2 J3.10 R8.1 U2.4 U2.7
/HDMI/TMDS_CK-: C24.2 J3.12 R7.1 U2.5 U2.6
/HDMI/TMDS_D0+: C21.2 J3.7 R10.1 U2.1 U2.10
/HDMI/TMDS_D0-: C22.2 J3.9 R9.1 U2.2 U2.9
/HDMI/TMDS_D1+: C19.2 J3.4 R14.1 U1.4 U1.7
/HDMI/TMDS_D1-: C20.2 J3.6 R13.1 U1.5 U1.6
/HDMI/TMDS_D2+: C17.2 J3.1 R17.1 U1.1 U1.10
/HDMI/TMDS_D2-: C18.2 J3.3 R16.1 U1.2 U1.9
/LattePanda Module/HSIO_0_TX+: A1.13 C27.1
/LattePanda Module/HSIO_0_TX-: A1.15 C26.1
/LattePanda Module/HSIO_1_TX+: A1.19 C29.1
/LattePanda Module/HSIO_1_TX-: A1.21 C28.1
/LattePanda Module/HSIO_2_RX+: A1.28 J15.43
/LattePanda Module/HSIO_2_RX-: A1.30 J15.41
/LattePanda Module/HSIO_2_TX+: A1.25 C49.1
/LattePanda Module/HSIO_2_TX-: A1.27 C50.1
/LattePanda Module/HSIO_3_RX+: A1.34 J16.41
/LattePanda Module/HSIO_3_RX-: A1.36 J16.43
/LattePanda Module/HSIO_3_TX+: A1.31 C55.1
/LattePanda Module/HSIO_3_TX-: A1.33 C56.1
/LattePanda Module/HSIO_8_RX+: A1.40 J2.A16
/LattePanda Module/HSIO_8_RX-: A1.42 J2.A17
/LattePanda Module/HSIO_8_TX+: A1.37 C1.1
/LattePanda Module/HSIO_8_TX-: A1.39 C2.1
/LattePanda Module/HSIO_9_RX+: A1.46 J2.A21
/LattePanda Module/HSIO_9_RX-: A1.48 J2.A22
/LattePanda Module/HSIO_9_TX+: A1.43 C3.1
/LattePanda Module/HSIO_9_TX-: A1.45 C4.1
/LattePanda Module/HSIO_10_RX+: A1.52 J2.A25
/LattePanda Module/HSIO_10_RX-: A1.54 J2.A26
/LattePanda Module/HSIO_10_TX+: A1.49 C5.1
/LattePanda Module/HSIO_10_TX-: A1.51 C6.1
/LattePanda Module/HSIO_11_RX+: A1.58 J2.A29
/LattePanda Module/HSIO_11_RX-: A1.60 J2.A30
/LattePanda Module/HSIO_11_TX+: A1.55 C7.1
/LattePanda Module/HSIO_11_TX-: A1.57 C8.1
/LattePanda Module/REFCLK0+: A1.85 J15.53
/LattePanda Module/REFCLK0-: A1.87 J15.55
/LattePanda Module/REFCLK2+: A1.97 J2.A13
/LattePanda Module/REFCLK2-: A1.99 J2.A14
/LattePanda Module/REFCLK3+: A1.88 J16.47
/LattePanda Module/REFCLK3-: A1.90 J16.49
/LattePanda Module/SPI_CLK: A1.155 R85.2
/LattePanda Module/SPI_IO2: A1.161 R88.2
/LattePanda Module/SPI_IO3: A1.153 R89.2
/LattePanda Module/SPI_MISO/SPI_IO1: A1.163 R87.2
/LattePanda Module/SPI_MOSI/SPI_IO0: A1.159 R86.2
/LattePanda Module/SUSCLK_WIFI: A1.131 R29.2 R33.2
/LattePanda Module/USB_2_P7+: A1.76 J16.3
/LattePanda Module/USB_2_P7-: A1.78 J16.5
/LattePanda Module/~{CLKREQ3}: A1.100 R31.1
